# Altium PCB PCB.PcbDoc (part 1 of 4) (continued)
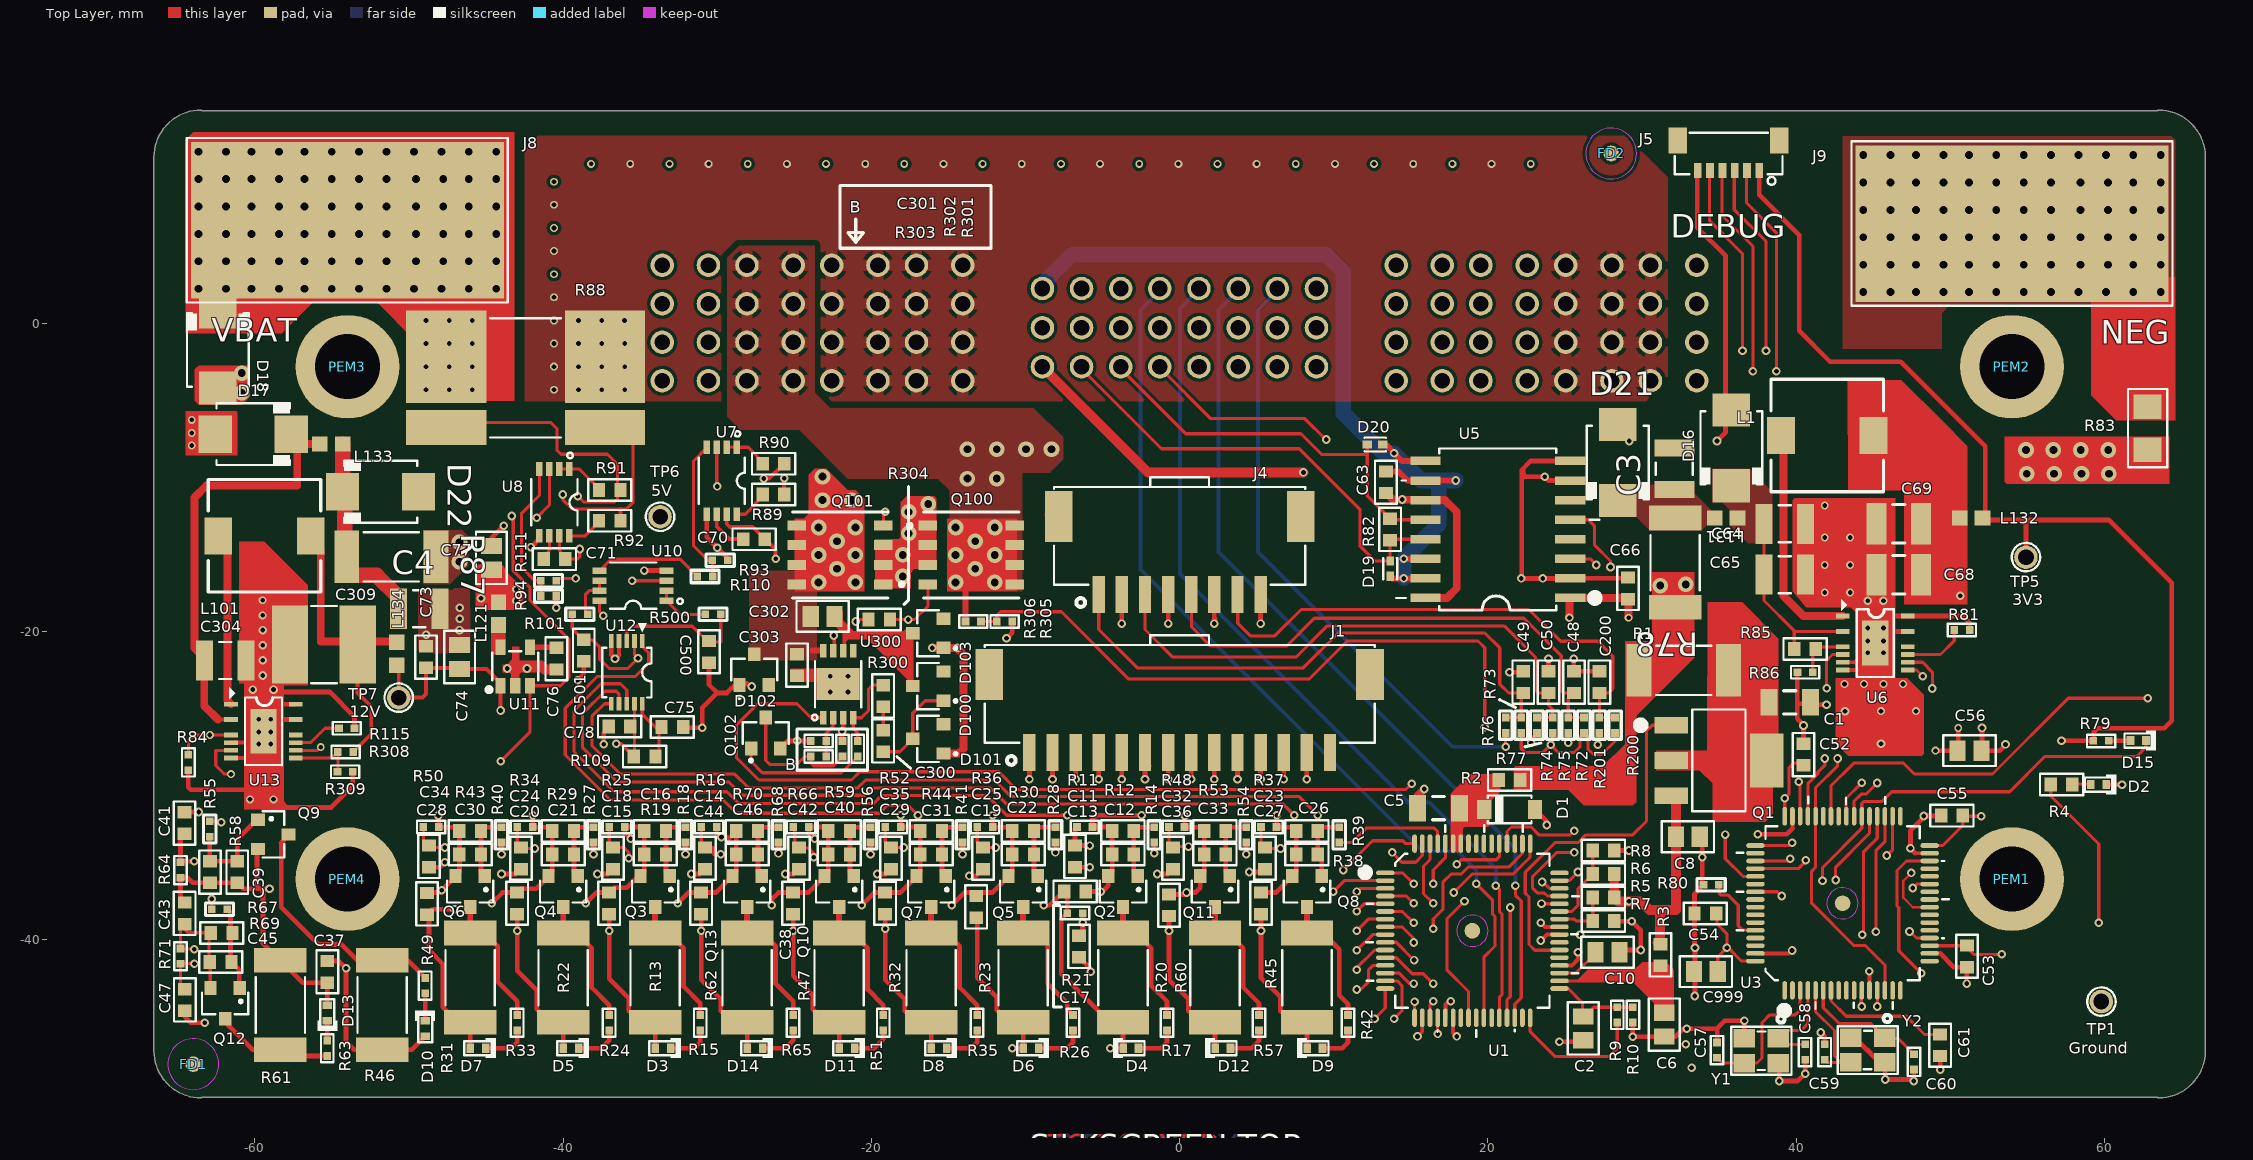
[diagram p0: Top Layer view]
## Footprints (in the part's own frame and the unit in brackets; to place one, negate y for a bottom-side part, rotate by r counter-clockwise, add the part's x,y. Pads: shape width x height; smd on the part's side, far side on the other; paste and mask are expansions set on the pad)
0.8mm [mm]
  rect 0.5x1 smd mask+0.064: 1(-2,0.975) 2(-1.2,0.975) 3(-0.4,0.975) 4(0.4,0.975) 5(1.2,0.975) 6(2,0.975)
  rect 1.2x1.7 smd mask+0.064: ""(-3.3,-0.975) ""(3.3,-0.975)
  silkscreen extent -3.5,-1.48 3.5,1.9, body extent -3.5,-1.43 3.5,1.27, height 1.7
2X2SON [mm]
  rect 0.6x0.5 smd mask+0.064: 1(-0.5,0) 2(0.5,0)
  silkscreen extent -0.69,-0.46 0.69,0.46, body extent -0.65,-0.35 0.65,0.35, height 0.4
8-MSOP [mil] "IC OPAMP JFET 11MHZ SGL 8MSOP"
  rect 35x16.5 smd mask+2: 1(-85.68,38.39) 2(-85.68,12.8) 3(-85.68,-12.8) 4(-85.68,-38.39) 5(85.68,-38.39) 6(85.68,-12.8) 7(85.68,12.8) 8(85.68,38.39)
  rect 82x110 smd paste-80 mask+2: 9(0,0)
  silkscreen extent -92,-59 59,67, body extent -97,-59 97,59, height 43
8MSOP [mil] "IC OPAMP JFET 11MHZ SGL 8MSOP"
  rect 35x16.5 smd mask+2: 1(-85.46,38.39) 2(-85.46,12.8) 3(-85.46,-12.8) 4(-85.46,-38.39) 5(85.46,-38.39) 6(85.46,-12.8) 7(85.46,12.8) 8(85.46,38.39)
  silkscreen extent -127,-59 59,59, body extent -97,-59 97,59, height 43
8TDSON [mm] "TDSON 8, 1.27mm pitch; 8 pin,5.15 mm W X 5.9 mm L X 1.10 mm H body"
  rect 1.2x0.65 smd paste+0 mask+0.064: 1(-2.809,1.905) 2(-2.809,0.635) 3(-2.809,-0.635) 4(-2.809,-1.905)
  rect 1.2x0.65 smd mask+0.064: 5(2.81,-1.905) 6(2.81,-0.635) 7(2.81,0.635) 8(2.81,1.905)
  Top Layer region: 2.941,2.35 -1.559,2.35 -1.559,-2.35 2.941,-2.35
  silkscreen extent -4.12,-2.8 3.1,2.8, body extent -3.07,-2.7 3.07,2.7, height 1.01
10-MSOP [mil] "IC DAC 12BIT SRL DUAL 10MSOP"
  rect 35x12 smd mask+2.3: 1(-80.15,39.37) 2(-80.15,19.69) 3(-80.15,0) 4(-80.15,-19.69) 5(-80.15,-39.37) 6(80.15,-39.37) 7(80.15,-19.69) 8(80.15,0) 9(80.15,19.69) 10(80.15,39.37)
  silkscreen extent -125,-63 64,63, body extent -96,-63 96,62, height 43
12GPAD [mm]
  rect 10.16x20.32 smd paste-12.7 mask+0.064: 1(0,0)
  silkscreen extent -5.33,-10.41 5.33,10.41
16-SOIC [mm] "16-SOIC (0.295\", 7.50mm Width)"
  rect 0.55x1.95 smd mask+0.051: 1(-4.445,-4.7) 2(-3.175,-4.7) 3(-1.905,-4.7) 4(-0.635,-4.7) 5(0.635,-4.7) 6(1.905,-4.7) 7(3.175,-4.7) 8(4.445,-4.7) 9(4.445,4.7) 10(3.175,4.7) 11(1.905,4.7) 12(0.635,4.7) 13(-0.635,4.7) 14(-1.905,4.7) 15(-3.175,4.7) 16(-4.445,4.7)
  silkscreen extent -5.25,-6.58 5.25,6.58, body extent -5.15,-5.12 5.15,5.18, height 2.65
64LQFP [mm] "ADS1675IPAG"
  round 1.016 smd paste-0.508 mask+0.508: 0(0,0)
  oval 1.2x0.3 smd mask+0.051: 1(-5.65,3.75) 2(-5.65,3.25) 3(-5.65,2.75) 4(-5.65,2.25) 5(-5.65,1.75) 6(-5.65,1.25) 7(-5.65,0.75) 8(-5.65,0.25) 9(-5.65,-0.25) 10(-5.65,-0.75) 11(-5.65,-1.25) 12(-5.65,-1.75) 13(-5.65,-2.25) 14(-5.65,-2.75) 15(-5.65,-3.25) 16(-5.65,-3.75) 33(5.65,-3.75) 34(5.65,-3.25) 35(5.65,-2.75) 36(5.65,-2.25) 37(5.65,-1.75) 38(5.65,-1.25) 39(5.65,-0.75) 40(5.65,-0.25) 41(5.65,0.25) 42(5.65,0.75) 43(5.65,1.25) 44(5.65,1.75) 45(5.65,2.25) 46(5.65,2.75) 47(5.65,3.25) 48(5.65,3.75)
  oval 0.3x1.2 smd mask+0.051: 17(-3.75,-5.65) 18(-3.25,-5.65) 19(-2.75,-5.65) 20(-2.25,-5.65) 21(-1.75,-5.65) 22(-1.25,-5.65) 23(-0.75,-5.65) 24(-0.25,-5.65) 25(0.25,-5.65) 26(0.75,-5.65) 27(1.25,-5.65) 28(1.75,-5.65) 29(2.25,-5.65) 30(2.75,-5.65) 31(3.25,-5.65) 32(3.75,-5.65) 49(3.75,5.65) 50(3.25,5.65) 51(2.75,5.65) 52(2.25,5.65) 53(1.75,5.65) 54(1.25,5.65) 55(0.75,5.65) 56(0.25,5.65) 57(-0.25,5.65) 58(-0.75,5.65) 59(-1.25,5.65) 60(-1.75,5.65) 61(-2.25,5.65) 62(-2.75,5.65) 63(-3.25,5.65) 64(-3.75,5.65)
  Top Layer keep-out circle w0.025: c0,0 r1.016
  silkscreen extent -7.21,-6.88 6.91,6.86, body extent -6,-6 6,6, height 1.2
2512 [mm] "Basic 2512 footprint"
  rect 1.6x3.4 smd mask+0.075: 1(-2.9,0) 2(2.9,0)
  silkscreen extent -1.8,-1.6 1.8,1.6, body extent -3.3,-1.6 3.3,1.6, height 2
BAS21 [mm] "TO-236-3, SC-59, SOT-23-3"
  rect 0.8x0.9 smd: 2(0.95,-1) A(-0.95,-1) C(0,1)
  silkscreen extent -1.5,-1.88 1.5,0.71, body extent -1.45,-1.18 1.45,1.24, height 0.98
C0402 [mm]
  rect 0.5x0.5 smd mask+0.064: 1(-0.5,0) 2(0.5,0)
  silkscreen extent -0.91,-0.41 0.91,0.41, body extent -0.52,-0.3 0.52,0.3, height 0.34
C0603 [mm] "Chip Capacitor, 2-Leads, Body 1.6x0.8mm, IPC High Density"
  rect 0.8x0.9 smd mask+0.064: 1(-0.7,0) 2(0.7,0)
  Top Layer pour cut-out: -0.356,0.508 0.356,0.508 0.356,-0.508 -0.356,-0.508
  silkscreen extent -1.4,-0.7 1.4,0.7, body extent -0.8,-0.43 0.8,0.37, height 0.3
C0805 [mm] "Chip Capacitor, 2-Leads, Body 2.0x1.2mm, IPC High Density"
  rect 1.05x1.35 smd: 1(-0.775,0) 2(0.775,0)
  Top Layer pour cut-out: -0.305,0.762 0.305,0.762 0.305,-0.762 -0.305,-0.762
  silkscreen extent -1.7,-1 1.7,1, body extent -1,-0.62 1,0.63, height 0.78
C1206 [mm] "Chip Capacitor, Body 3.2x1.6mm, IPC High Density"
  rect 1.1x1.7 smd: 1(-1.35,0) 2(1.35,0)
  silkscreen extent -0.4,-0.75 0.4,0.75, body extent -1.7,-0.9 1.7,0.9, height 1.3
C1210 [mm] "Chip Resistor, Body 3.2x2.5mm, IPC High Density"
  rect 1.1x2.6 smd: 1(-1.35,0) 2(1.35,0)
  silkscreen extent -0.4,-1.2 0.4,1.2, body extent -1.6,-1.25 1.6,1.25, height 1.3
C1210_N [mm] "Chip Capacitor, Body 3.2x2.5mm, IPC Medium Density"
  rect 1.3x2.7 smd: 1(-1.45,0) 2(1.45,0)
  silkscreen extent -0.4,-1.25 0.4,1.25, body extent -1.7,-1.35 1.7,1.35, height 1.5
C2220 [mm] "Basic 2220 footprint"
  rect 2.35x5.08 smd mask+0.075: 1(-2.2,0) 2(2.2,0)
  silkscreen extent -0.84,-2.5 0.81,2.5, body extent -2.9,-2.5 2.9,2.5, height 3.1
CONN8_1P5MM_SM [mm] "CONN8_1P5MM_SM"
  rect 0.8x2.4 smd mask+0.051: 1(5.25,2.525) 2(3.75,2.525) 3(2.25,2.525) 4(0.75,2.525) 5(-0.75,2.525) 6(-2.25,2.525) 7(-3.75,2.525) 8(-5.25,2.525)
  rect 1.8x3.3 smd mask+0.051: ""(-7.85,-2.525) ""(7.85,-2.525)
  silkscreen extent -8.15,-5.08 8.15,3.33, body extent -8.15,-4.07 8.15,3.56, height 3.18
CONN14_1p5mm_SM [mm] "CONN14_1P5MM_SM"
  rect 0.8x2.4 smd mask+0.051: 1(9.75,2.525) 2(8.25,2.525) 3(6.75,2.525) 4(5.25,2.525) 5(3.75,2.525) 6(2.25,2.525) 7(0.75,2.525) 8(-0.75,2.525) 9(-2.25,2.525) 10(-3.75,2.525) 11(-5.25,2.525) 12(-6.75,2.525) 13(-8.25,2.525) 14(-9.75,2.525)
  rect 1.8x3.3 smd mask+0.051: ""(-12.35,-2.525) ""(12.35,-2.525)
  silkscreen extent -12.65,-5.08 12.65,3.33, body extent -12.65,-4.45 12.65,3.18, height 13.18
CRYSTAL_NX3225SA [mm] "TCXO 4 Pin 2520 Package"
  rect 1.4x1.2 smd mask+0.051: 1(-1.1,-0.8) 2(1.1,-0.8) 3(1.1,0.8) 4(-1.1,0.8)
  silkscreen extent -1.96,-2.3 1.96,1.55, body extent -1.65,-1.25 1.63,1.25, height 0.6
D0402 [mm]
  rect 0.5x0.6 smd mask+0.051: A(0.5,0) C(-0.5,0)
  silkscreen extent -1.14,-0.64 0.89,0.63, body extent -0.5,-0.3 0.5,0.3, height 0.25
D0402_1 [mm]
  rect 0.5x0.6 smd mask+0.051: 1(0.5,0) 2(-0.5,0)
  silkscreen extent -1.14,-0.64 0.89,0.63, body extent -0.5,-0.3 0.5,0.3, height 0.25
DO-214AA [mil] "DO214AC SMT Diode footprint cathode pin 1"
  rect 85x96 smd mask+2.5: 1(96.93,0) 2(-96.93,0)
  silkscreen extent -94,-79 94,79, body extent -91,-79 91,79, height 103
ET60S-D04-3-08-D04-L-V1-S [mil] "ET60S-D04-3-08-D04-L-V1-S"
  round 60 hole 40 mask+3: 1(350,-111.81) 2(250,-111.81) 3(150,-111.81) 4(50,-111.81) 5(-50,-111.81) 6(-150,-111.81) 7(-250,-111.81) 8(-350,-111.81) 9(350,-11.81) 10(250,-11.81) 11(150,-11.81) 12(50,-11.81) 13(-50,-11.81) 14(-150,-11.81) 15(-250,-11.81) 16(-350,-11.81) 17(350,88.19) 18(250,88.19) 19(150,88.19) 20(50,88.19) 21(-50,88.19) 22(-150,88.19) 23(-250,88.19) 24(-350,88.19) P1(1203.15,-147.64) P1(1203.15,-49.21) P1(1203.15,49.21) P1(1203.15,147.64) P1(1321.26,-147.64) P1(1321.26,-49.21) P1(1321.26,49.21) P1(1321.26,147.64) P2(986.61,-147.64) P2(986.61,-49.21) P2(986.61,49.21) P2(986.61,147.64) P2(1104.72,-147.64) P2(1104.72,-49.21) P2(1104.72,49.21) P2(1104.72,147.64) P3(770.08,-147.64) P3(770.08,-49.21) P3(770.08,49.21) P3(770.08,147.64) P3(888.19,-147.64) P3(888.19,-49.21) P3(888.19,49.21) P3(888.19,147.64) P4(553.54,-147.64) P4(553.54,-49.21) P4(553.54,49.21) P4(553.54,147.64) P4(671.65,-147.64) P4(671.65,-49.21) P4(671.65,49.21) P4(671.65,147.64) P5(-671.65,-147.64) P5(-671.65,-49.21) P5(-671.65,49.21) P5(-671.65,147.64) P5(-553.54,-147.64) P5(-553.54,-49.21) P5(-553.54,49.21) P5(-553.54,147.64) P6(-888.19,-147.64) P6(-888.19,-49.21) P6(-888.19,49.21) P6(-888.19,147.64) P6(-770.08,-147.64) P6(-770.08,-49.21) P6(-770.08,49.21) P6(-770.08,147.64) P7(-1104.72,-147.64) P7(-1104.72,-49.21) P7(-1104.72,49.21) P7(-1104.72,147.64) P7(-986.61,-147.64) P7(-986.61,-49.21) P7(-986.61,49.21) P7(-986.61,147.64) P8(-1321.26,-147.64) P8(-1321.26,-49.21) P8(-1321.26,49.21) P8(-1321.26,147.64) P8(-1203.15,-147.64) P8(-1203.15,-49.21) P8(-1203.15,49.21) P8(-1203.15,147.64)
  silkscreen extent -1669,-367 1670,354, body extent -1673,-369 1665,340, height 567
FIDUCIAL_REFDES [mil]
  round 40 smd mask+40: ""(0,0)
  Top Layer keep-out circle w1: c0,0 r65
IND_SRR7045 [mm] "Bourns Inductor Series SRR7045"
  rect 1.8x2.4 smd: 1(-3,0) 2(3,0)
  silkscreen extent -3.65,-3.65 3.65,3.65, body extent -3.65,-3.65 3.65,3.65, height 4.5
INDC1608X10N [mm] "Chip Inductor, 2-Leads, Body 1.60x0.80mm, IPC Medium Density"
  rect 1.02x0.98 smd: 1(-0.74,0) 2(0.74,0)
  body extent -0.87,-0.48 0.87,0.48, height 0.95
LTC3630A [mm]
  rect 0.305x0.89 smd mask+0.051: 1(-1.75,-2.105) 3(-0.75,-2.105) 5(0.25,-2.105) 6(0.75,-2.105) 7(1.25,-2.105) 8(1.75,-2.105) 9(1.75,2.105) 10(1.25,2.105) 11(0.75,2.105) 12(0.25,2.105) 14(-0.75,2.105) 16(-1.75,2.105)
  rect 2.9x1.7 smd paste-3.861 mask+0.051: 17(0,0)
  silkscreen extent -2.84,-2.21 2.21,1.2, body extent -2.06,-2.49 2.11,2.49, height 0.6
R0402 [mm]
  rect 0.5x0.5 smd mask+0.064: 1(-0.5,0) 2(0.5,0)
  silkscreen extent -0.91,-0.41 0.91,0.41, body extent -0.52,-0.3 0.52,0.3, height 0.34
R0603 [mm] "Chip Capacitor, 2-Leads, Body 1.6x0.8mm, IPC High Density"
  rect 0.8x0.9 smd mask+0.064: 1(-0.7,0) 2(0.7,0)
  Top Layer pour cut-out: -0.356,0.508 0.356,0.508 0.356,-0.508 -0.356,-0.508
  silkscreen extent -1.4,-0.7 1.4,0.7, body extent -0.8,-0.43 0.8,0.37, height 0.3
R1206 [mm] "Chip Capacitor; Body 3.2 x 1.6 mm (LxW typ)"
  rect 1.6x1.8 smd: 1(-1.4,0) 2(1.4,0)
  silkscreen extent -2.54,-1.27 2.54,1.27, body extent -1.6,-0.8 1.6,0.8, height 1
R5931 [mm]
  rect 5.2x6 smd paste-8.738: 1(-5.15,1.375) 2(5.15,1.375)
  rect 5.2x2.3 smd: 3(-5.15,-3.225)
  rect 5.2x2.3 smd mask+0.102: 4(5.15,-3.225)
  silkscreen extent -2.3,-3.88 2.3,3.88, body extent -7.5,-3.88 7.5,3.88, height 1.33
SMTSO-M3-2ET [mil] "PEM Nut"
  round 265 hole 166.14 paste-3.94: 0(0,0)
SOD-123 [mil] "SOD-123"
  rect 48x36 smd mask+2: A(0,64.51) C(0,-64.51)
  silkscreen extent -35,-56 35,56, body extent -33,-76 34,76, height 56
SOT23-3 [mm] "TO-236-3, SC-59, SOT-23-3"
  rect 0.8x0.9 smd: 2(0.95,-1) A(-0.95,-1) C(0,1)
  silkscreen extent -1.5,-1.88 1.5,0.71, body extent -1.45,-1.18 1.45,1.24, height 0.98
SOT23-5 [mm]
  rect 0.66x1 smd: 1(-0.95,-1.25) 2(0,-1.25) 3(0.95,-1.25) 4(0.95,1.25) 5(-0.95,1.25)
  silkscreen extent -1.8,-1.6 1.5,1, body extent -1.46,-1.17 1.46,1.17, height 1
SOT-23 [mm] "TO-236-3, SC-59, SOT-23-3"
  rect 0.8x0.9 smd: D(0,1) G(-0.95,-1) S(0.95,-1)
  silkscreen extent -1.5,-0.7 1.5,0.71, body extent -1.45,-1.18 1.45,1.24, height 0.98
SOT-23-3 [mm] "TO-236-3, SC-59, SOT-23-3"
  rect 0.8x0.9 smd: 1(-0.95,-1) 2(0.95,-1) 3(0,1)
  silkscreen extent -1.5,-1.88 1.5,0.71, body extent -1.45,-1.18 1.45,1.24, height 0.98
SOT-223 [mil]
  rect 43x86 smd: 1(-90,-122) 2(0,-122) 3(90,-122)
  rect 138x86 smd: 4(0,122)
  silkscreen extent -130,-210 130,68, body extent -125,-131 131,143, height 67
TP [mil]
  round 60 hole 40 mask+2.5: 1(0,0)
  silkscreen extent -36,-36 36,36
TQFP-64 [mm] "ADS1675IPAG"
  round 1.016 smd paste-0.508 mask+0.508: 0(0,0)
  oval 1.2x0.3 smd mask+0.051: 1(-5.65,3.75) 2(-5.65,3.25) 3(-5.65,2.75) 4(-5.65,2.25) 5(-5.65,1.75) 6(-5.65,1.25) 7(-5.65,0.75) 8(-5.65,0.25) 9(-5.65,-0.25) 10(-5.65,-0.75) 11(-5.65,-1.25) 12(-5.65,-1.75) 13(-5.65,-2.25) 14(-5.65,-2.75) 15(-5.65,-3.25) 16(-5.65,-3.75) 33(5.65,-3.75) 34(5.65,-3.25) 35(5.65,-2.75) 36(5.65,-2.25) 37(5.65,-1.75) 38(5.65,-1.25) 39(5.65,-0.75) 40(5.65,-0.25) 41(5.65,0.25) 42(5.65,0.75) 43(5.65,1.25) 44(5.65,1.75) 45(5.65,2.25) 46(5.65,2.75) 47(5.65,3.25) 48(5.65,3.75)
  oval 0.3x1.2 smd mask+0.051: 17(-3.75,-5.65) 18(-3.25,-5.65) 19(-2.75,-5.65) 20(-2.25,-5.65) 21(-1.75,-5.65) 22(-1.25,-5.65) 23(-0.75,-5.65) 24(-0.25,-5.65) 25(0.25,-5.65) 26(0.75,-5.65) 27(1.25,-5.65) 28(1.75,-5.65) 29(2.25,-5.65) 30(2.75,-5.65) 31(3.25,-5.65) 32(3.75,-5.65) 49(3.75,5.65) 50(3.25,5.65) 51(2.75,5.65) 52(2.25,5.65) 53(1.75,5.65) 54(1.25,5.65) 55(0.75,5.65) 56(0.25,5.65) 57(-0.25,5.65) 58(-0.75,5.65) 59(-1.25,5.65) 60(-1.75,5.65) 61(-2.25,5.65) 62(-2.75,5.65) 63(-3.25,5.65) 64(-3.75,5.65)
  Top Layer keep-out circle w0.025: c0,0 r1.016
  silkscreen extent -7.21,-6.88 6.91,6.86, body extent -6,-6 6,6, height 1.2

## Part data
C1 C5: library part Cap, "CAP CER 1UF 100V X7R 1210 AUTO F", Capacitance=1uF, Case/Package=1210, Dielectric=X7R, Dielectric Material=Ceramic, Manufacturer=KEMET, Manufacturer Part Number=C1210X105K1RACAUTO, Supplier Part Number 1=399-16434-1-ND, Tolerance=10%, Voltage Rating (DC)=100V, Pricing 1="1=2.07, 10=1.677, 100=1.2803, 500=0.9755, 1000=0.85356 (USD)", Stock 1=335, Supplier 1=Digi-Key
C2 C77: library part CAP-Generic-0805, "CAP CER 2.2UF 10V 10% X7R 0805", Capacitance=2.2uF, Case/Package=0805, Case Code (Metric)=2012, Dielectric=X7R, Dielectric Material=Ceramic, Manufacturer=KEMET, Manufacturer Part Number=C0805X225K8RACAUTO, Max Operating Temperature=125°C, Min Operating Temperature=-55°C, Ratings=AEC-Q200, Supplier Part Number 1=399-11602-1-ND, Tolerance=10%, Voltage Rating=10V, Case Code (Imperial)=0805, Features="Soft Termination", Length=0.079inch, Mount="Surface Mount", Packaging="Tape and Reel", Pricing 1="1=0.9, 10=0.667, 100=0.4571, 500=0.36184, 1000=0.3047 (USD)", Pricing 2="1=1.06, 10=0.715, 50=0.715, 100=0.446, 1000=0.369, 10000=0.228 (USD)", Stock 1=2328, Stock 2=4965, Supplier 1=Digi-Key, Supplier 2=Mouser, Supplier Part Number 2=80-C0805X225K8RAUTO, Thickness=0.055inch, Voltage Rating (DC)=10V, Width=0.049inch
C3 C4: library part CAP-GENERIC, "CAP CER 4.7UF 100V 10% X7S 1210", Capacitance=4.7uF, Case Code (Imperial)=1210, Case Code (Metric)=3225, Dielectric=X7S, Manufacturer=TDK, Manufacturer Part Number=CGA6M3X7S2A475K200AE, Max Operating Temperature=125°C, Min Operating Temperature=-55°C, Package Quantity=1, Ratings=AEC-Q200, Supplier Part Number 1=445-8790-1-ND, Tolerance=10%, Voltage Rating=100V, Case/Package=1210, ComponentLink1Description=http://www.mouser.com/ds/2/400/lcc_automotive_midvoltage_en-355485.pdf, ComponentLink1URL=http://www.mouser.com/ds/2/400/lcc_automotive_midvoltage_en-355485.pdf, ComponentLink2Description=http://www.farnell.com/datasheets/1839935.pdf, ComponentLink2URL=http://www.farnell.com/datasheets/1839935.pdf, ComponentLink3Description=http://www.mouser.com/ds/2/400/lcc_commercial_soft_en-775842.pdf, ComponentLink3URL=http://www.mouser.com/ds/2/400/lcc_commercial_soft_en-775842.pdf, Depth=2.5mm, Features="Soft Termination", Height=2mm, Lead Free="Lead Free", Length=3.2mm, Mount="Surface Mount", Packaging="Tape and Reel", Pricing 1="1=2.3, 10=1.86, 100=1.42, 500=1.08192 (USD)", Pricing 2="1=2.3, 10=1.86, 50=1.86, 100=1.42, 1000=0.98, 10000=0.98 (USD)", REACH SVHC="No SVHC", Stock 1=0, Stock 2=205, Supplier 1=Digi-Key, Supplier 2=Mouser, Supplier Part Number 2=810-CGA6M3X7S2A475KS, Termination=SMD/SMT, Thickness=0.087inch, Voltage Rating (DC)=100V, Weight=0.000564oz, Width=0.098inch
C6 C8 C10 C74 C999: library part CAP-Generic-0402, "CAP CER 1UF 25V X7R 0805", Capacitance=1uF, Case/Package=0805, Case Code (Metric)=2012, Dielectric=X7R, Manufacturer=Murata, Manufacturer Part Number=GCJ21BR71E105KA12L, Max Operating Temperature=125°C, Min Operating Temperature=-55°C, Package Quantity=3000, Ratings=AEC-Q200, Supplier Part Number 1=490-5802-1-ND, Tolerance=10%, Voltage Rating=25V, Case Code (Imperial)=0805, Depth=1.25mm, Features="Soft Termination", Lead Free="Lead Free", Length=2mm, Mount="Surface Mount", Packaging="Tape and Reel", Pricing 1="1=0.48, 10=0.333, 100=0.1997, 500=0.14974, 1000=0.12645 (USD)", Stock 1=116649, Supplier 1=Digi-Key, Termination=SMD/SMT, Thickness=0.057inch, Voltage Rating (DC)=25V, Width=1.25mm
C11 C14 C17 C18 C23 C24 C25 C32 C34 C35 C41 C42 C47: library part CAP-Generic-0402, "CAP CER 0.022UF 100V X7R 0603", Capacitance=22nF, Case/Package=0603, Case Code (Metric)=1608, Dielectric=X7R, Manufacturer=Murata, Manufacturer Part Number=GCJ188R72A223KA01D, Max Operating Temperature=125°C, Min Operating Temperature=-55°C, Package Quantity=4000, Ratings=AEC-Q200, Supplier Part Number 1=490-5769-1-ND, Tolerance=10%, Voltage Rating=100V, Case Code (Imperial)=0603, ComponentLink1Description=http://www.mouser.com/ds/2/212/KEM_C1002_X7R_SMD-1102033.pdf, ComponentLink1URL=http://www.mouser.com/ds/2/212/KEM_C1002_X7R_SMD-1102033.pdf, ComponentLink2Description=https://www.verical.com/server-webapp/html/getDatasheet?partID=38414, ComponentLink2URL=https://www.verical.com/server-webapp/html/getDatasheet?partID=38414, ComponentLink3Description=https://www.murata.com/~/media/webrenewal/support/library/catalog/products/capacitor/mlcc/c03e.ashx?la=en-us&src-supplier=Digi-Key, ComponentLink3URL=https://www.murata.com/~/media/webrenewal/support/library/catalog/products/capacitor/mlcc/c03e.ashx?la=en-us&src-supplier=Digi-Key, ComponentLink4Description=http://search.murata.co.jp/Ceramy/image/img/A01X/partnumbering_e_02.pdf?src-supplier=Digi-Key, ComponentLink4URL=http://search.murata.co.jp/Ceramy/image/img/A01X/partnumbering_e_02.pdf?src-supplier=Digi-Key, Depth=0.8mm, Features="Soft Termination", Height=0.8mm, Lead Free="Lead Free", Length=1.6mm, Mount="Surface Mount", Packaging="Tape and Reel", Pricing 1="1=0.4, 10=0.277, 100=0.1572, 500=0.11096, 1000=0.0971 (USD)", Radiation Hardening=No, Stock 1=480265, Supplier 1=Digi-Key, Termination=SMD/SMT, Thickness=0.031inch, Voltage Rating (DC)=100V, Width=0.031inch
C12 C16 C21 C22 C26 C30 C31 C33 C39 C40 C45 C46 C48 C49 C50 C73 C75 C76 C78 C200 C300: library part CAP-Generic-0603, "CAP CER 10000PF 50V X7R 0603", Capacitance=10nF, Case/Package=0603, Case Code (Metric)=1608, Dielectric=X7R, Manufacturer=TDK, Manufacturer Part Number=CGA3E2X7R1H103K080AE, Max Operating Temperature=125°C, Min Operating Temperature=-55°C, Package Quantity=4000, Ratings=AEC-Q200, Supplier Part Number 1=445-15955-1-ND, Tolerance=10%, Voltage Rating=50V, Case Code (Imperial)=0603, Features="Soft Termination", Height=0.8mm, Length=0.063inch, Mount="Surface Mount", Packaging="Tape and Reel", Pricing 1="1=0.27, 10=0.186, 100=0.0944, 500=0.06458, 1000=0.05713 (USD)", Stock 1=42633, Supplier 1=Digi-Key, Termination=SMD/SMT, Thickness=0.035inch, Voltage Rating (DC)=50V, Weight=7.1E-05oz, Width=0.031inch
C13 C15 C19 C20 C27 C28 C29 C36 C37 C38 C43 C44 C52 C53 C54 C55 C63 C66 C500 C501: library part CAP-Generic-0603, "CAP CER 0.1UF 50V 10% X7R 0603", Case/Package=0603, Manufacturer=Murata, Manufacturer Part Number=GCJ188R71E104KA12D, Supplier Part Number 1=490-16477-1-ND, Pricing 1="1=0.22, 10=0.152, 100=0.077, 500=0.0527, 1000=0.04662 (USD)", Pricing 2="1=0.21, 10=0.139, 50=0.139, 100=0.071, 1000=0.043, 10000=0.035 (USD)", Stock 1=2560, Stock 2=47905, Supplier 1=Digi-Key, Supplier 2=Mouser, Supplier Part Number 2=81-GCJ188R71E104KA2D
C56: library part CAP-Generic-0603, "CAP CER 4.7UF 16V 10% X7R 0805", Capacitance=4.7uF, Case/Package=0805, Case Code (Metric)=2012, Dielectric=X7R, Manufacturer=TDK, Manufacturer Part Number=CGA4J3X7R1C475K125AE, Max Operating Temperature=125°C, Min Operating Temperature=-55°C, Package Quantity=1, Ratings=AEC-Q200, Supplier Part Number 1=445-8788-1-ND, Tolerance=10%, Voltage Rating=16V, Case Code (Imperial)=0805, ComponentLink1Description=http://www.mouser.com/ds/2/400/lcc_commercial_soft_en-775842.pdf?src-supplier=Mouser, ComponentLink1URL=http://www.mouser.com/ds/2/400/lcc_commercial_soft_en-775842.pdf?src-supplier=Mouser, ComponentLink2Description=http://www.farnell.com/datasheets/1863333.pdf?src-supplier=Element14, ComponentLink2URL=http://www.farnell.com/datasheets/1863333.pdf?src-supplier=Element14, Depth=1.25mm, Features="Soft Termination", Height=1.25mm, Length=2mm, Mount="Surface Mount", Packaging="Tape and Reel", Pricing 1="1=0.7, 10=0.498, 100=0.3279, 500=0.24288, 1000=0.20645 (USD)", Pricing 2="1=0.7, 10=0.498, 50=0.498, 100=0.328, 1000=0.207, 10000=0.176 (USD)", REACH SVHC="No SVHC", Stock 1=255080, Stock 2=3160, Supplier 1=Digi-Key, Supplier 2=Mouser, Supplier Part Number 2=810-CGA4J3X7R1C475KS, Termination=SMD/SMT, Thickness=0.057inch, Voltage Rating (DC)=16V, Weight=0.000194oz, Width=1.2mm
C57 C58 C59 C60: library part CAP-Generic-0402, "CAP CER 8PF 50V C0G 0402", Capacitance=8pF, Case/Package=0402, Case Code (Metric)=1005, Dielectric=C0G, Manufacturer=TDK, Manufacturer Part Number=CGA2B2C0G1H080D050BA, Max Operating Temperature=125°C, Min Operating Temperature=-55°C, Package Quantity=10000, Ratings=AEC-Q200, Supplier Part Number 1=445-5582-1-ND, Voltage Rating=50V, Case Code (Imperial)=0402, ComponentLink1Description=http://www.mouser.com/ds/2/400/lcc_commercial_general_en-837201.pdf, ComponentLink1URL=http://www.mouser.com/ds/2/400/lcc_commercial_general_en-837201.pdf, ComponentLink2Description=https://product.tdk.com/info/en/documents/chara_sheet/C1005C0G1H080C050BA.pdf, ComponentLink2URL=https://product.tdk.com/info/en/documents/chara_sheet/C1005C0G1H080C050BA.pdf, ComponentLink3Description=http://www.mouser.com/ds/2/400/lcc_automotive_general_en-843974.pdf, ComponentLink3URL=http://www.mouser.com/ds/2/400/lcc_automotive_general_en-843974.pdf, ComponentLink4Description=http://www.farnell.com/datasheets/1807242.pdf, ComponentLink4URL=http://www.farnell.com/datasheets/1807242.pdf, Composition=Ceramic, Depth=0.5mm, Height=0.5mm, Length=1mm, Mount="Surface Mount", Packaging="Tape and Reel", Pricing 1="1=0.1, 10=0.076, 100=0.0338, 500=0.02416, 1000=0.01898, 2500=0.01725, 5000=0.01587 (USD)", REACH SVHC="No SVHC", Stock 1=4049, Supplier 1=Digi-Key, Termination=SMD/SMT, Thickness=0.022inch, Voltage Rating (DC)=50V, Weight=2.3E-05oz, Width=0.5mm
C61: library part Cap, "CAP CER 100PF 50V NP0 0603", Capacitance=100pF, Case/Package=0603, Case Code (Metric)=1608, Manufacturer=TDK, Manufacturer Part Number=CGA3E2C0G1H101J080AE, Max Operating Temperature=125°C, Min Operating Temperature=-55°C, Ratings=AEC-Q200, Supplier Part Number 1=445-173653-1-ND, Tolerance=5%, Voltage Rating=50V, Case Code (Imperial)=0603, Features="Soft Termination", Length=0.063inch, Mount="Surface Mount", Packaging="Tape and Reel", Pricing 1="1=0.27, 10=0.186, 100=0.0944, 500=0.06458, 1000=0.05713 (USD)", Pricing 2="1=0.27, 10=0.186, 50=0.186, 100=0.095, 1000=0.058, 10000=0.044 (USD)", Stock 1=2011, Stock 2=41170, Supplier 1=Digi-Key, Supplier 2=Mouser, Supplier Part Number 2=810-CGA3E2C0G1H101JA, Thickness=0.037inch, Width=0.031inch
C64 C65 C304: library part CAP-GENERIC, "CAP CER 4.7UF 100V 10% X7S 1210", Capacitance=4.7uF, Case/Package=1210, Case Code (Metric)=3225, Dielectric=X7S, Manufacturer=TDK, Manufacturer Part Number=CGA6M3X7S2A475K200AE, Max Operating Temperature=125°C, Min Operating Temperature=-55°C, Package Quantity=1, Ratings=AEC-Q200, Supplier Part Number 1=445-8790-1-ND, Tolerance=10%, Voltage Rating=100V, Case Code (Imperial)=1210, ComponentLink1Description=http://www.mouser.com/ds/2/400/lcc_automotive_midvoltage_en-355485.pdf, ComponentLink1URL=http://www.mouser.com/ds/2/400/lcc_automotive_midvoltage_en-355485.pdf, ComponentLink2Description=http://www.farnell.com/datasheets/1839935.pdf, ComponentLink2URL=http://www.farnell.com/datasheets/1839935.pdf, ComponentLink3Description=http://www.mouser.com/ds/2/400/lcc_commercial_soft_en-775842.pdf, ComponentLink3URL=http://www.mouser.com/ds/2/400/lcc_commercial_soft_en-775842.pdf, Depth=2.5mm, Features="Soft Termination", Height=2mm, Lead Free="Lead Free", Length=3.2mm, Mount="Surface Mount", Packaging="Tape and Reel", Pricing 1="1=2.3, 10=1.86, 100=1.42, 500=1.08192 (USD)", Pricing 2="1=2.3, 10=1.86, 50=1.86, 100=1.42, 1000=0.98, 10000=0.98 (USD)", REACH SVHC="No SVHC", Stock 1=0, Stock 2=205, Supplier 1=Digi-Key, Supplier 2=Mouser, Supplier Part Number 2=810-CGA6M3X7S2A475KS, Termination=SMD/SMT, Thickness=0.087inch, Voltage Rating (DC)=100V, Weight=0.000564oz, Width=0.098inch
C68 C69: library part CAP-Generic-1206, "CAP CER 47UF 6.3V X7R 1210", Capacitance=47uF, Case/Package=1210, Case Code (Metric)=3225, Dielectric=X7R, Manufacturer=Murata, Manufacturer Part Number=GCJ32ER70J476KE01L, Max Operating Temperature=125°C, Min Operating Temperature=-55°C, Package Quantity=1000, Ratings=AEC-Q200, Supplier Part Number 1=490-10559-1-ND, Tolerance=10%, Voltage Rating=6.3V, Case Code (Imperial)=1210, Features="Soft Termination", Height=2.5mm, Lead Free="Lead Free", Length=0.126inch, Mount="Surface Mount", Packaging="Tape and Reel", Pricing 1="1=1.53, 10=1.212, 100=0.9089, 500=0.6867 (USD)", Stock 1=4874, Supplier 1=Digi-Key, Termination=SMD/SMT, Thickness=0.11inch, Voltage Rating (DC)=6.3V, Weight=0.00388oz, Width=0.098inch
C70 C71: library part Cap, "CAP CER 100n 100V X7R 0603", Capacitance=100nF, Case/Package=0603, Case Code (Metric)=1608, Manufacturer=Murata, Manufacturer Part Number=GCJ188R72A104KA01D, Max Operating Temperature=125°C, Min Operating Temperature=-55°C, Ratings=AEC-Q200, Supplier Part Number 1=490-13420-1-ND, Tolerance=10%, Voltage Rating=100V, Case Code (Imperial)=0603, Features="Soft Termination", Lead Free="Lead Free", Length=0.063inch, Mount="Surface Mount", Packaging="Tape and Reel", Pricing 1="1=0.28, 10=0.189, 100=0.1073, 500=0.07578, 1000=0.0663 (USD)", Pricing 2="1=0.26, 10=0.173, 50=0.173, 100=0.099, 1000=0.061, 10000=0.05 (USD)", Stock 1=224293, Stock 2=680575, Supplier 1=Digi-Key, Supplier 2=Mouser, Supplier Part Number 2=81-GCJ188R72A104KA1D, Thickness=0.035inch, Width=0.031inch